# Allegro board arena_12-12_v5.brd (continued)
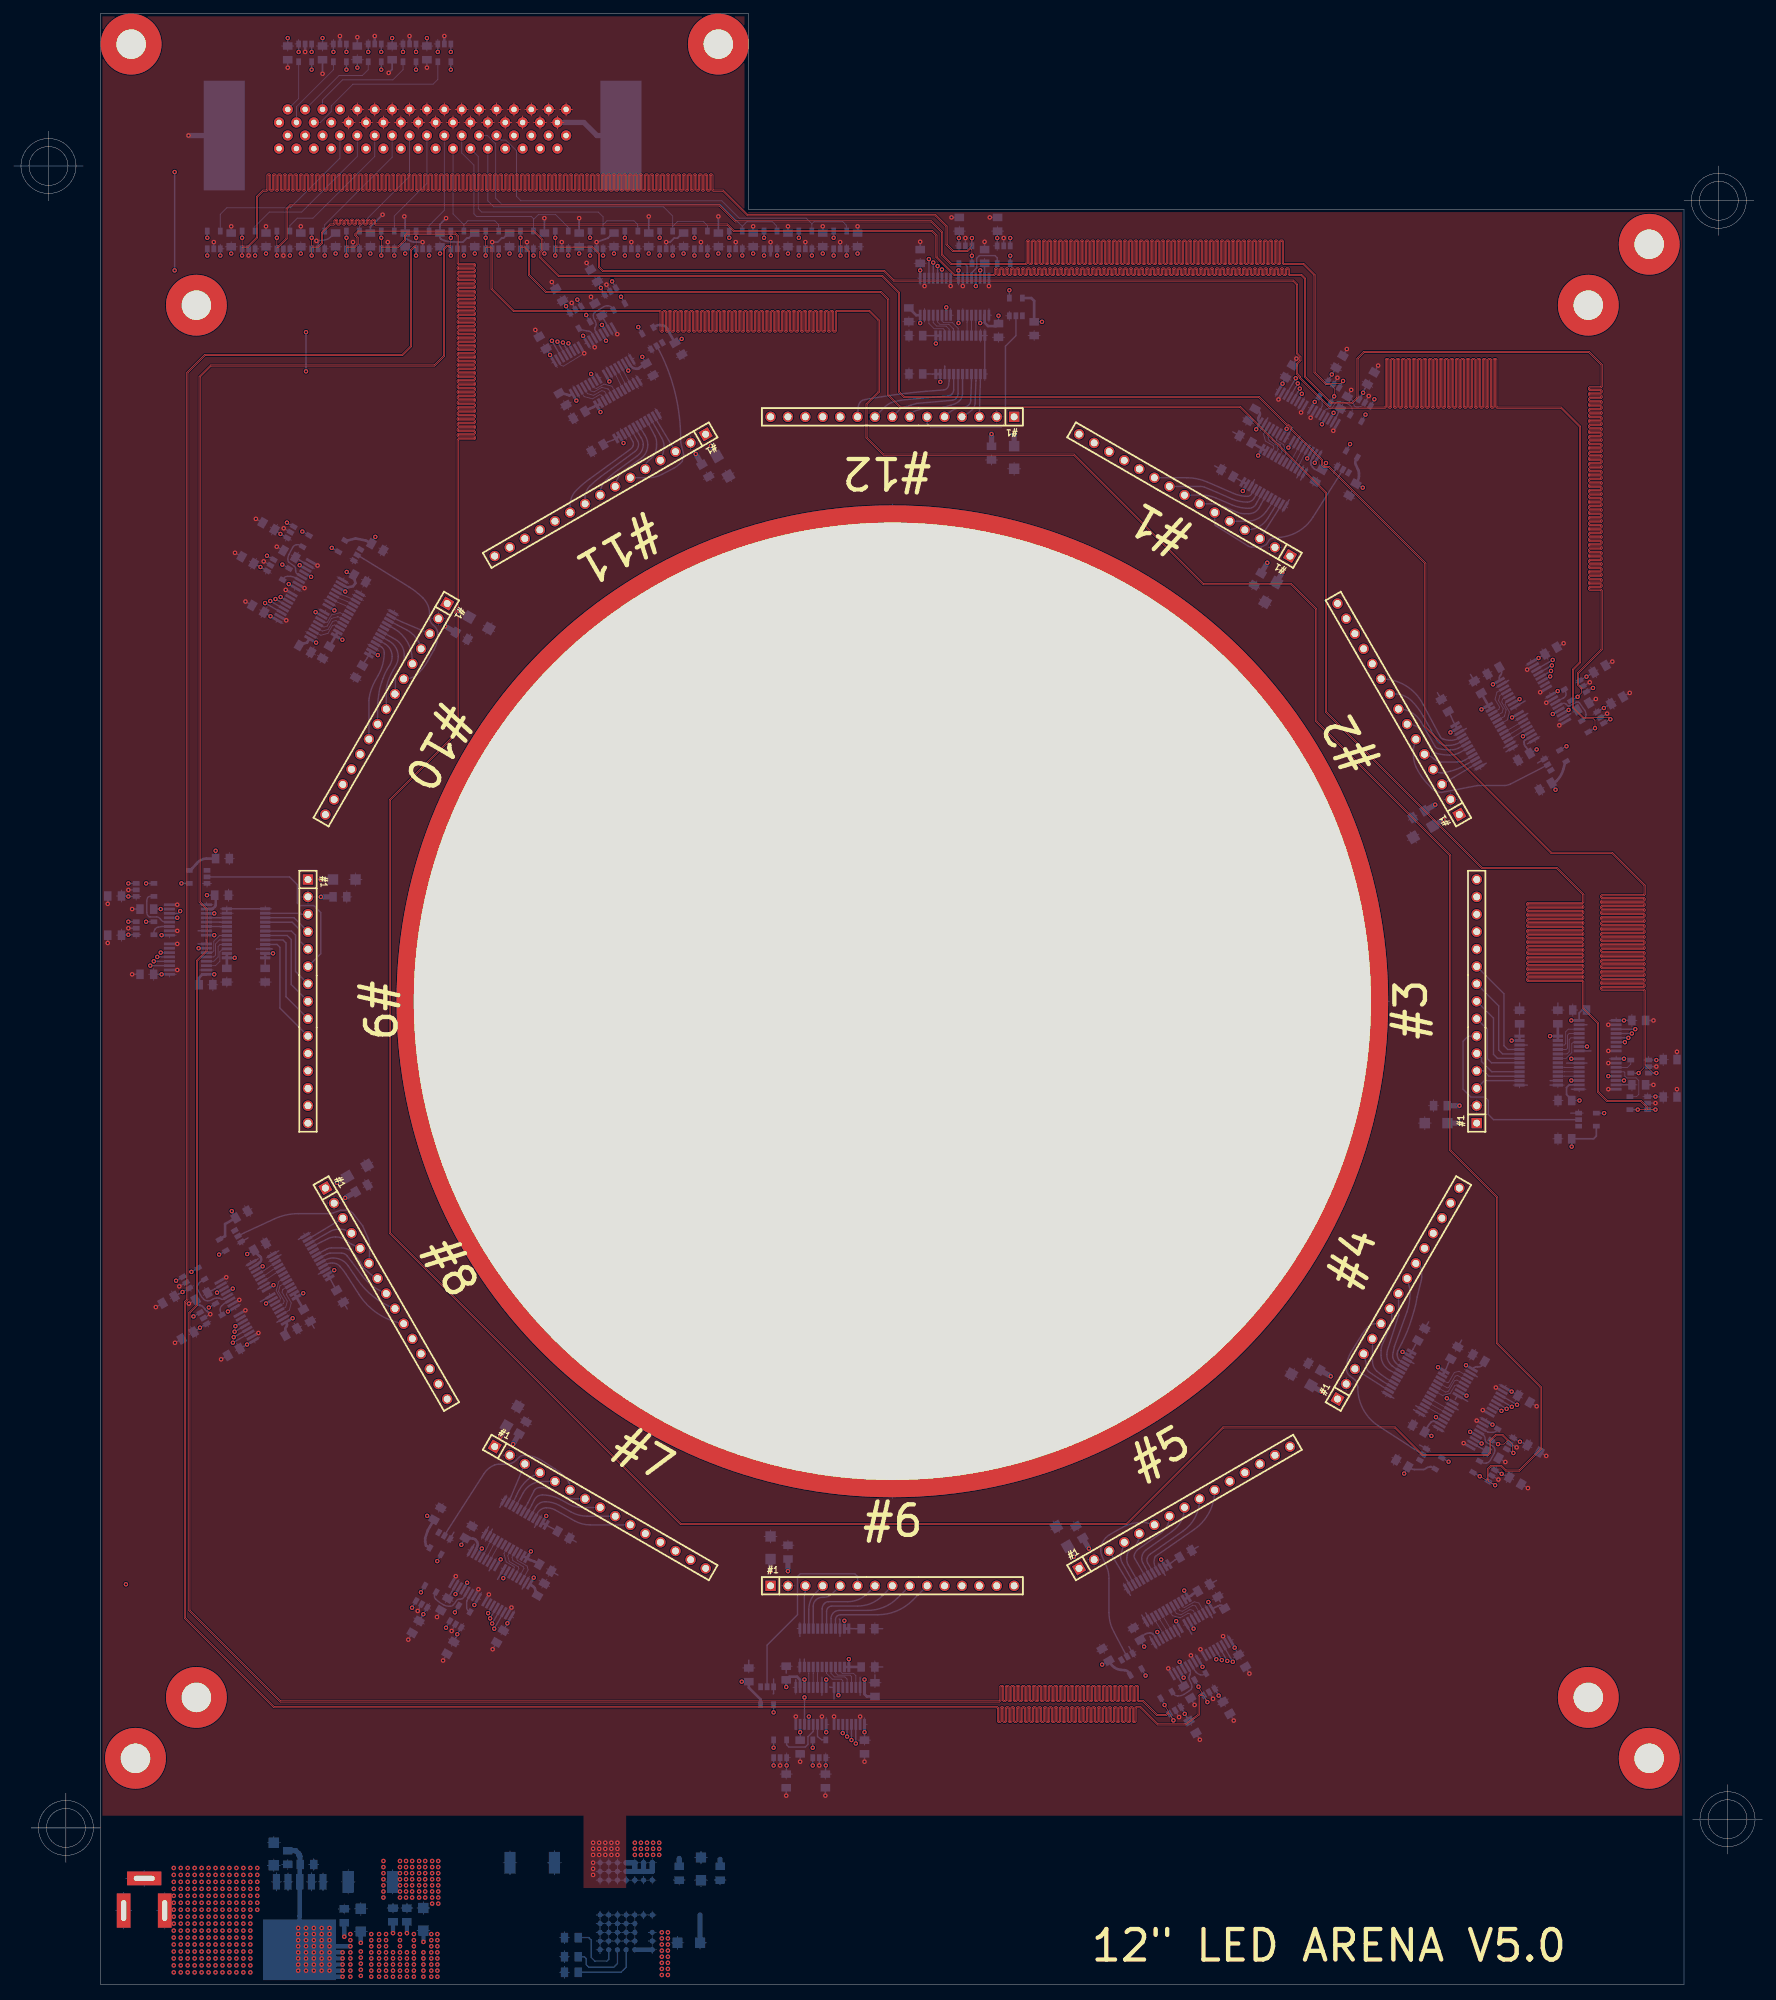
[diagram p0: board, top side]
## Routing (per net, layer and track width the routed paths; a pad name or vN(x,y) marks a point on that pad's centre or on a via; arc(x,y) is an arc through that point) (continued)
GND_ISO3: length 581.8
  TOP w0.127: 79.38,270.85 J26.2 ; J26.2 79.38,272.71 ; J26.2 80.31,271.78 ; J26.2 78.44,271.78 ; J26.17 61.26,273.69 ; J26.17 60.33,272.75 ; J26.17 59.39,273.69 ; J26.17 60.33,274.62 ; 73.36,271.78 J26.6 ; J26.6 74.3,272.71 ; J26.6 74.3,270.85 ; J26.6 75.23,271.78 ; J26.16 62.53,271.78 ; J26.16 61.6,270.85 ; J26.16 60.66,271.78 ; J26.16 61.6,272.71 ; J26.11 67.95,274.62 ; J26.11 67.95,272.75 ; J26.11 68.88,273.69 ; J26.11 67.01,273.69 ; J26.25 50.17,274.62 ; J26.25 51.1,273.69 ; J26.25 49.23,273.69 ; J26.25 50.17,272.75 ; 53.98,270.85 J26.22 ; J26.22 54.91,271.78 ; J26.22 53.04,271.78 ; J26.22 53.98,272.71 ; 48.9,270.85 J26.26 ; J26.26 47.96,271.78 ; J26.26 49.83,271.78 ; J26.26 48.9,272.71 ; J26.12 66.68,272.71 ; J26.12 67.61,271.78 ; J26.12 66.68,270.85 ; J26.12 65.74,271.78 ; 77.17,273.69 J26.3 ; J26.3 78.11,274.62 ; J26.3 79.04,273.69 ; J26.3 78.11,272.75 ; 51.77,273.69 J26.23 ; J26.23 52.71,272.75 ; J26.23 52.71,274.62 ; J26.23 53.64,273.69 ; J26.1 81.58,273.69 ; J26.1 80.65,274.62 ; J26.1 80.65,272.75 ; J26.1 79.71,273.69 ; 71.76,270.85 J26.8 ; J26.8 72.69,271.78 ; J26.8 70.82,271.78 ; J26.8 71.76,272.71 ; 64.14,270.85 J26.14 ; J26.14 65.07,271.78 ; J26.14 63.2,271.78 ; J26.14 64.14,272.71 ; J26.19 58.72,273.69 ; J26.19 57.79,274.62 ; J26.19 56.85,273.69 ; J26.19 57.79,272.75 ; 55.58,271.78 J26.20 ; J26.20 56.52,270.85 ; J26.20 56.52,272.71 ; J26.20 57.45,271.78 ; 74.63,273.69 J26.5 ; J26.5 75.57,272.75 ; J26.5 75.57,274.62 ; J26.5 76.5,273.69 ; J26.18 59.99,271.78 ; J26.18 59.06,272.71 ; J26.18 58.12,271.78 ; J26.18 59.06,270.85 ; J26.15 63.8,273.69 ; J26.15 62.87,274.62 ; J26.15 62.87,272.75 ; J26.15 61.93,273.69 ; J26.21 56.18,273.69 ; J26.21 55.25,272.75 ; J26.21 54.31,273.69 ; J26.21 55.25,274.62 ; 73.03,272.75 J26.7 ; J26.7 73.96,273.69 ; J26.7 72.09,273.69 ; J26.7 73.03,274.62 ; J26.13 65.41,274.62 ; J26.13 64.47,273.69 ; J26.13 65.41,272.75 ; J26.13 66.34,273.69 ; J26.10 69.22,272.71 ; J26.10 69.22,270.85 ; J26.10 68.28,271.78 ; J26.10 70.15,271.78 ; 50.5,271.78 J26.24 ; J26.24 51.44,270.85 ; J26.24 51.44,272.71 ; J26.24 52.37,271.78 ; J26.4 77.77,271.78 ; J26.4 76.84,270.85 ; J26.4 76.84,272.71 ; J26.4 75.9,271.78 ; J26.9 70.49,274.62 ; J26.9 70.49,272.75 ; J26.9 69.55,273.69 ; J26.9 71.42,273.69
  PWR w0.127: J26.13 65.41,274.62 ; J26.13 65.41,272.75 ; J26.13 64.47,273.69 ; J26.13 66.34,273.69 ; J26.7 73.96,273.69 ; J26.7 73.03,272.75 ; J26.7 72.09,273.69 ; J26.7 73.03,274.62 ; J26.11 68.88,273.69 ; J26.11 67.01,273.69 ; J26.11 67.95,274.62 ; J26.11 67.95,272.75 ; 79.71,273.69 J26.1 ; J26.1 80.65,272.75 ; J26.1 80.65,274.62 ; J26.1 81.58,273.69 ; 48.9,270.85 J26.26 ; J26.26 49.83,271.78 ; J26.26 47.96,271.78 ; J26.26 48.9,272.71 ; J26.24 51.44,272.71 ; J26.24 50.5,271.78 ; J26.24 51.44,270.85 ; J26.24 52.37,271.78 ; J26.10 70.15,271.78 ; J26.10 69.22,272.71 ; J26.10 69.22,270.85 ; J26.10 68.28,271.78 ; J26.9 71.42,273.69 ; J26.9 70.49,272.75 ; J26.9 70.49,274.62 ; J26.9 69.55,273.69 ; J26.8 71.76,272.71 ; J26.8 70.82,271.78 ; J26.8 71.76,270.85 ; J26.8 72.69,271.78 ; J26.5 76.5,273.69 ; J26.5 75.57,274.62 ; J26.5 75.57,272.75 ; J26.5 74.63,273.69 ; J26.3 79.04,273.69 ; J26.3 77.17,273.69 ; J26.3 78.11,272.75 ; J26.3 78.11,274.62 ; J26.12 66.68,272.71 ; J26.12 67.61,271.78 ; J26.12 65.74,271.78 ; J26.12 66.68,270.85 ; 57.79,272.75 J26.19 ; J26.19 58.72,273.69 ; J26.19 57.79,274.62 ; J26.19 56.85,273.69 ; J26.16 62.53,271.78 ; J26.16 61.6,270.85 ; J26.16 60.66,271.78 ; J26.16 61.6,272.71 ; 58.12,271.78 J26.18 ; J26.18 59.06,272.71 ; J26.18 59.99,271.78 ; J26.18 59.06,270.85 ; 50.17,272.75 J26.25 ; J26.25 51.1,273.69 ; J26.25 49.23,273.69 ; 56.52,270.85 J26.20 ; J26.20 55.58,271.78 ; J26.20 57.45,271.78 ; J26.20 56.52,272.71 ; 59.39,273.69 J26.17 ; J26.17 60.33,272.75 ; J26.17 60.33,274.62 ; J26.17 61.26,273.69 ; 55.25,272.75 J26.21 ; J26.21 56.18,273.69 ; J26.21 55.25,274.62 ; J26.21 54.31,273.69 ; J26.14 65.07,271.78 ; J26.14 64.14,272.71 ; J26.14 64.14,270.85 ; J26.14 63.2,271.78 ; J26.4 77.77,271.78 ; J26.4 76.84,272.71 ; J26.4 76.84,270.85 ; J26.4 75.9,271.78 ; 52.71,272.75 J26.23 ; J26.23 53.64,273.69 ; J26.23 51.77,273.69 ; 62.87,272.75 J26.15 ; J26.15 62.87,274.62 ; J26.15 61.93,273.69 ; J26.15 63.8,273.69 ; 74.3,270.85 J26.6 ; J26.6 74.3,272.71 ; J26.6 75.23,271.78 ; J26.6 73.36,271.78 ; 78.44,271.78 J26.2 ; J26.2 79.38,272.71 ; J26.2 80.31,271.78 ; J26.2 79.38,270.85 ; 53.04,271.78 J26.22 ; J26.22 53.98,270.85 ; J26.22 54.91,271.78 ; J26.22 53.98,272.71
  PWR w0.203: 44.45,241.43 44.45,234.82
  LAYER 1 w0.127: J26.26 48.9,272.71 ; J26.26 49.83,271.78 ; J26.26 47.96,271.78 ; J26.26 48.9,270.85 ; 51.77,273.69 J26.23 ; J26.23 53.64,273.69 ; J26.23 52.71,272.75 ; J26.23 52.71,274.62 ; J26.16 61.6,272.71 ; J26.16 60.66,271.78 ; J26.16 62.53,271.78 ; J26.16 61.6,270.85 ; J26.2 80.31,271.78 ; J26.2 78.44,271.78 ; J26.2 79.38,272.71 ; J26.2 79.38,270.85 ; J26.5 75.57,274.62 ; J26.5 76.5,273.69 ; J26.5 74.63,273.69 ; J26.5 75.57,272.75 ; 79.71,273.69 J26.1 ; J26.1 81.58,273.69 ; J26.1 80.65,274.62 ; J26.1 80.65,272.75 ; 74.3,270.85 J26.6 ; J26.6 75.23,271.78 ; J26.6 74.3,272.71 ; J26.6 73.36,271.78 ; 75.9,271.78 J26.4 ; J26.4 77.77,271.78 ; J26.4 76.84,272.71 ; J26.4 76.84,270.85 ; J26.21 55.25,274.62 ; J26.21 56.18,273.69 ; J26.21 54.31,273.69 ; J26.21 55.25,272.75 ; J26.7 73.96,273.69 ; J26.7 73.03,274.62 ; J26.7 72.09,273.69 ; J26.7 73.03,272.75 ; J26.14 65.07,271.78 ; J26.14 64.14,272.71 ; J26.14 63.2,271.78 ; J26.14 64.14,270.85 ; J26.15 63.8,273.69 ; J26.15 62.87,274.62 ; J26.15 62.87,272.75 ; J26.15 61.93,273.69 ; 65.41,272.75 J26.13 ; J26.13 64.47,273.69 ; J26.13 65.41,274.62 ; J26.13 66.34,273.69 ; 66.68,270.85 J26.12 ; J26.12 66.68,272.71 ; J26.12 65.74,271.78 ; J26.12 67.61,271.78 ; J26.24 52.37,271.78 ; J26.24 50.5,271.78 ; J26.24 51.44,272.71 ; J26.24 51.44,270.85 ; J26.22 53.98,272.71 ; J26.22 53.04,271.78 ; J26.22 54.91,271.78 ; J26.22 53.98,270.85 ; 56.85,273.69 J26.19 ; J26.19 58.72,273.69 ; J26.19 57.79,272.75 ; J26.19 57.79,274.62 ; J26.9 71.42,273.69 ; J26.9 70.49,272.75 ; J26.9 70.49,274.62 ; J26.9 69.55,273.69 ; 58.12,271.78 J26.18 ; J26.18 59.06,270.85 ; J26.18 59.99,271.78 ; J26.18 59.06,272.71 ; J26.8 72.69,271.78 ; J26.8 71.76,272.71 ; J26.8 70.82,271.78 ; J26.8 71.76,270.85 ; J26.10 70.15,271.78 ; J26.10 69.22,272.71 ; J26.10 68.28,271.78 ; J26.10 69.22,270.85 ; 49.23,273.69 J26.25 ; J26.25 51.1,273.69 ; J26.25 50.17,272.75 ; J26.25 50.17,274.62 ; J26.17 60.33,274.62 ; J26.17 60.33,272.75 ; J26.17 59.39,273.69 ; J26.17 61.26,273.69 ; 78.11,272.75 J26.3 ; J26.3 77.17,273.69 ; J26.3 78.11,274.62 ; J26.3 79.04,273.69 ; J26.11 67.95,274.62 ; J26.11 67.01,273.69 ; J26.11 68.88,273.69 ; J26.11 67.95,272.75 ; 55.58,271.78 J26.20 ; J26.20 56.52,272.71 ; J26.20 56.52,270.85 ; J26.20 57.45,271.78
  BOTTOM w0.127: 103.12,14.52 C43.2 ; C43.2 102.24,15.26 ; C43.2 104.01,15.26 ; 85.6,14.67 U130.C7 ; U130.C7 85.03,15.24 ; U130.C7 86.17,15.24 ; U130.C7 85.6,15.81 ; U130.A6 87.44,17.78 ; U130.A6 86.87,18.35 ; U130.A6 86.87,17.21 ; U130.A6 86.3,17.78 ; U130.C1 93.79,15.24 ; U130.C1 92.65,15.24 ; U130.C1 93.22,15.81 ; U130.C1 93.22,14.67 ; 88.14,15.94 U130.B5 ; U130.B5 87.57,16.51 ; U130.B5 88.71,16.51 ; U130.B5 88.14,17.08 ; 85.03,17.78 U130.A7 ; U130.A7 85.6,18.35 ; U130.A7 86.17,17.78 ; U130.A7 85.6,17.21 ; 78.93,16.01 L2.1 ; L2.1 79.94,17.78 ; L2.1 77.92,17.78 ; L2.1 78.93,19.55 ; U130.C2 91.95,15.81 ; U130.C2 91.38,15.24 ; U130.C2 92.52,15.24 ; U130.C2 91.95,14.67 ; U130.C3 91.25,15.24 ; U130.C3 90.11,15.24 ; U130.C3 90.68,15.81 ; U130.C3 90.68,14.67 ; C107.2 195.07,231.53 arc(195.39,231.25) 195.57,230.87 195.67,230.52 arc(195.73,230.39) 195.83,230.3 arc(195.89,230.28) 195.96,230.27 196.27,230.27 arc(196.82,230.42) 197.22,230.82 197.24,230.87 ; 86.87,15.94 U130.B6 ; U130.B6 87.44,16.51 ; U130.B6 86.3,16.51 ; U130.B6 86.87,17.08 ; 87.57,15.24 U130.C5 ; U130.C5 88.14,14.67 ; U130.C5 88.14,15.81 ; U130.C5 88.71,15.24 ; 89.41,14.67 U130.C4 ; U130.C4 89.98,15.24 ; U130.C4 89.41,15.81 ; U130.C4 88.84,15.24 ; C44.2 98.04,15.26 ; C44.2 97.16,14.52 ; C44.2 96.27,15.26 ; U130.B7 85.6,17.08 ; U130.B7 85.6,15.94 ; U130.B7 86.17,16.51 ; U130.B7 85.03,16.51 ; 88.14,17.21 U130.A5 ; U130.A5 87.57,17.78 ; U130.A5 88.14,18.35 ; U130.A5 88.71,17.78 ; C42.2 101.27,15.24 ; C42.2 99.39,15.24 ; C42.2 100.33,14.3 ; 86.87,14.67 U130.C6 ; U130.C6 87.44,15.24 ; U130.C6 86.87,15.81 ; U130.C6 86.3,15.24 ; v1(83.29,238.09) 80.26,236.22 79.91,236.31 79.42,237.17
  BOTTOM w0.203: U13.8 v1(114.17,39.12) ; C77.2 v1(239.38,140.72) ; C81.2 v1(172.39,40.82) ; C190.2 v1(199.19,236.3) ; 172.42,47.05 v1(171.85,48.04) ; U52.2 v1(58.98,54.53) ; 27.71,97.27 v1(28.7,97.84) ; U86.2 v1(81.46,245.45) ; C153.2 v1(235.92,188.52) ; C189.2 v1(242.81,130.68) ; C89.2 v1(124.21,32.53) ; U90.2 v1(193.24,234.52) ; C99.2 v1(180.4,45.39) ; U16.8 v1(23.88,157.61) ; U76.2 v1(117.6,31.98) ; 185.21,232.35 v1(184.64,231.36) ; C166.2 v1(142.49,257.92) ; U59.2 v1(105.41,254.32) ; 34.73,94.53 v1(35.73,95.1) ; 189.91,229.68 v1(189.34,228.69) ; C197.2 v1(23.54,93.67) ; C195.2 v1(107.95,256.62) ; U50.2 v1(111.89,31.98) ; U69.2 v1(69.85,254.32) ; U10.8 v1(232.79,136.27) ; 224.73,187.66 v1(223.74,187.09) ; 84.24,239.97 v1(84.82,238.98) ; U11.8 v1(214.46,83.84) ; C173.2 v1(233.38,193.1) ; C183.2 v1(31.75,256.62) ; v1(62.87,284.39) 62.87,284.15 ; U85.2 v1(29.21,254.32) ; C181.2 v1(242.81,136.14) ; 217.36,86.57 v1(216.37,87.14) ; C198.2 v1(20.75,98.88) ; 72.09,54.04 v1(72.66,55.03) ; U5.8 v1(39.71,203.56) ; U1.8 v1(119.76,39.12) ; C73.2 v1(61.79,53.64) ; U2.8 v1(69.36,56.93) ; U4.8 v1(23.88,151.89) ; C105.2 v1(17.29,147.45) ; C184.2 v1(41.91,256.62) ; U84.2 v1(36.49,207.72) ; 197.24,230.87 v1(197.82,231.86) ; U1.2 v1(123.57,39.12) ; C165.2 v1(221.06,72.46) ; C179.2 v1(36.83,256.62) ; U56.2 v1(16.74,159.77) ; C69.2 v1(222.33,84.4) ; 231.63,184.92 v1(232.62,185.5) ; 233.93,140.08 v1(232.79,140.08) ; U88.2 v1(138.94,254.91) ; U15.8 v1(31.03,103.23) ; 43.37,207.69 v1(44.36,207.11) ; 117.98,37.97 v1(117.98,39.12) ; U9.8 v1(222.85,188.62) ; U87.2 v1(34.29,252.36) ; C109.2 v1(141.73,254.37) ; C71.2 v1(187.25,237.31) ; C186.2 v1(62.68,47.29) ; C91.2 v1(217.76,76.27) ; C196.2 v1(123.19,256.62) ; C162.2 v1(118.49,27.57) ; C101.2 v1(76.14,241.51) ; U71.2 64.77,254.32 ; U61.2 v1(85.09,254.32) ; 22.73,153.8 v1(23.88,153.8) ; U89.2 v1(39.37,252.36) ; 87.54,241.87 v1(88.12,240.88) ; U14.8 v1(64.54,59.6) ; C177.2 v1(78.56,248.49) ; C170.2 v1(32.31,208.97) ; U8.8 v1(187.94,229.45) ; U49.2 v1(115.57,254.32) ; C154.2 v1(57.6,50.34) ; U19.8 v1(142.37,247.9) ; 31.94,99.36 v1(32.93,99.93) ; C158.2 v1(173.16,35.74) ; 67.27,56.71 v1(67.84,57.7) ; C93.2 v1(25.58,99.39) ; 64.5,52.6 v1(63.93,51.61) ; U7.8 v1(136.78,247.9) ; U53.2 v1(95.25,254.32) ; C163.2 v1(40.01,279.78) ; C111.2 v1(132.33,254.37) ; C95.2 v1(239.38,131.32) ; v1(42.55,282.08) 42.55,282.25 ; 193.21,227.77 v1(192.64,226.78) ; 229.09,189.5 v1(230.08,190.07) ; U70.2 v1(216.74,73.71) ; U3.8 v1(33.82,98.4) ; U57.2 v1(110.49,254.32) ; U95.2 v1(54.61,254.32) ; 221.93,192.49 v1(220.94,191.92) ; C193.2 v1(13.73,157.73) ; C192.2 v1(113.03,256.62) ; U4.2 v1(23.88,148.08) ; 87.11,247.12 v1(86.54,248.11) ; U65.2 v1(80.01,254.32) ; 38.8,199.69 v1(39.79,199.12) ; U51.2 v1(120.65,254.32) ; 214.57,81.74 v1(213.58,82.32) ; C182.2 v1(178.11,38.53) ; 174.51,42.69 v1(175.08,41.7) ; U24.8 v1(168.55,46.14) ; U97.2 v1(59.69,254.32) ; U94.2 v1(239.8,133.98) ; C161.2 v1(223.73,77.16) ; C157.2 v1(194.62,238.71) ; U62.2 v1(144.53,254.91) ; 40.41,211.98 v1(39.42,212.55) ; C85.2 v1(17.29,156.97) ; v1(47.63,284.39) 47.63,284.15 ; C164.2 v1(60.33,279.78) ; 218.42,78.98 v1(219.41,78.41) ; C174.2 v1(136.91,257.92) ; C103.2 v1(38.4,209.86) ; 82.72,239.08 v1(83.29,238.09) ; C67.2 v1(69.92,48.94) ; C107.2 v1(195.25,232.74) ; U55.2 v1(100.33,254.32) ; U22.8 v1(232.79,130.68) ; C83.2 v1(84.27,246.33) ; C87.2 v1(33.83,201.86) ; U72.2 v1(170.13,39.03) ; C97.2 v1(230.96,187.63) ; 173.82,47.94 v1(173.25,48.93) ; v1(52.71,284.39) 52.71,284.15 ; U67.2 v1(74.93,254.32) ; 138.56,249.05 v1(138.56,247.9) ; U22.2 v1(232.79,134.49) ; U82.2 v1(16.74,154.18) ; C79.2 v1(114.81,32.53) ; C113.2 v1(226.27,195.76) ; U93.2 v1(49.53,254.32) ; v1(57.79,284.39) 57.79,284.15 ; 177.12,49.85 v1(176.55,50.84) ; U23.8 v1(211.67,79.02) ; 25.17,102.48 v1(24.18,101.9) ; C185.2 v1(112.78,27.57) ; C171.2 v1(118.11,256.62) ; 41.47,204.39 v1(42.46,203.81) ; C169.2 v1(35.35,213.92) ; C75.2 v1(30.27,91.26) ; C178.2 v1(83.64,251.28) ; U21.8 v1(225.64,183.79) ; U91.2 44.45,254.25 v1(44.2,254.51) 45.29,254.61 arc(45.58,254.66) 45.86,254.78 arc(46.11,254.94) 46.34,255.14 46.73,255.53 arc(46.85,255.61) C191.2 ; U68.2 v1(239.67,128.65) ; U63.2 v1(90.17,254.32) ; C194.2 v1(13.73,152.02) ; U7.2 v1(132.97,247.9)
  BOTTOM w0.254: v1(59.69,254.32) 58.39,254.32 arc(58.19,254.35) 58.01,254.42 57.89,254.5 arc(57.65,254.62) 57.4,254.73 57.31,254.77 arc(57.2,254.86) 57.15,255 C167.2 57.15,257.94 v1(57.02,258.06) ; C156.2 52.07,256.54 v1(53.85,258.32) ; C159.2 v1(82.55,257.81) ; v1(63.12,257.81) 62.23,256.92 C175.2 62.23,254.99 arc(62.27,254.85) 62.37,254.76 62.42,254.73 arc(62.61,254.64) 62.81,254.57 62.99,254.51 arc(63.38,254.41) 63.77,254.36 64.77,254.32 65.58,254.32 66.16,254.9 66.43,254.9 67.16,255.64 C176.2 ; v1(28.7,97.84) 28.31,98.23 arc(28.25,98.24) 28.2,98.28 27.9,98.57 arc(27.89,98.63) 27.86,98.68 27.54,99 arc(27.4,99.09) 27.23,99.13 27.19,99.13 arc(27.06,99.16) 26.97,99.26 C93.2 ; C168.2 87.48,255.64 86.75,254.9 v1(85.09,254.32) ; C172.2 v1(45.09,278.89) ; C188.2 v1(77.47,257.81) ; v1(95.25,254.32) 95.83,254.32 96.42,254.9 96.91,254.9 97.64,255.64 C187.2 ; C155.2 v1(92.71,258.06) ; C152.2 72.24,255.64 71.51,254.9 71.24,254.9 70.66,254.32 v1(69.85,254.32) ; v1(54.74,279.02) 55.25,279.53 C160.2 ; C151.2 v1(50.17,284.23) ; C180.2 v1(102.87,258.06)
  BOTTOM w0.381: 57.79,284.15 U83.2 ; 47.63,284.15 U77.2 ; 42.55,282.25 U75.2 ; U57.2 110.49,252.36 ; 52.71,284.15 U79.2 ; 62.87,284.15 U81.2
  BOTTOM w0.762: 88.65,269.88 85.14,269.88 83.23,271.78 J26.2 ; 30.74,269.88 v1(25.53,269.88)
  vias: v1(84.58,20.7) v1(84.58,19.81) v1(84.58,18.92) v1(84.58,17.78) v1(84.58,16.89) v1(84.58,16) v1(85.47,20.7) v1(85.47,19.81) v1(85.47,18.92) v1(86.36,20.7) v1(86.36,19.81) v1(86.36,18.92) v1(87.25,20.7) v1(87.25,19.81) v1(87.25,18.92) v1(88.14,20.7) v1(88.14,19.81) v1(88.14,18.92)
1CS0: length 4.7
  BOTTOM w0.127: U37.6 118.67,45.41 119.5,44.58 120.82,44.58 121.03,44.37 U1.11
1CS1: length 4.8
  BOTTOM w0.127: U37.5 119.32,45.4 119.81,44.91 121.34,44.91 121.67,44.58 U1.12
1CS2: length 5
  BOTTOM w0.127: U37.4 119.97,45.51 120.32,45.16 122.1,45.16 122.3,44.96 U1.13
1CS3: length 4.9
  BOTTOM w0.127: U37.3 120.62,45.76 120.96,45.42 122.61,45.42 122.94,45.08 U1.14
1MISO: length 9.9
  PWR w0.127: v1(115.44,44.52) 115.44,42.78 115.42,42.62 114.92,42.13 114.92,41.56 114.39,41.01 arc(113.35,40.38) 112.2,40 v1(110.93,39.73)
  BOTTOM w0.203: U25.4 v1(110.93,39.73) ; 115.44,43.37 v1(115.44,44.52)
1MOSI: length 3
  BOTTOM w0.127: U13.14 117.35,45.39 117.37,45.41 U37.8
1RESET: length 3
  BOTTOM w0.127: U37.10 116.07,45.41 116.08,45.41 U13.12
1SCK: length 3
  BOTTOM w0.127: U37.9 116.72,45.41 116.71,45.41 U13.13
1XCS0: length 12
  BOTTOM w0.203: U37.18 118.02,54.86 arc(118.1,55.25) 118.32,55.58 118.38,55.64 arc(118.64,55.82) 118.96,55.88 121.77,55.88 arc(123.28,56.18) 124.57,57.04 J4.7
1XCS1: length 13.6
  BOTTOM w0.203: J4.8 126.79,56.72 arc(125.15,55.63) 123.22,55.24 119.45,55.24 arc(119.15,55.19) 118.9,55.02 arc(118.73,54.76) 118.67,54.47 U37.19
1XCS2: length 14.9
  BOTTOM w0.203: J4.9 129.01,56.41 arc(127.02,55.08) 124.68,54.61 120.51,54.61 arc(120.05,54.52) 119.67,54.26 arc(119.41,53.88) 119.32,53.42 U37.20
1XCS3: length 16.5
  BOTTOM w0.203: J4.10 131.24,56.09 arc(128.9,54.52) 126.13,53.97 120.7,53.97 arc(120.42,53.92) 120.18,53.76 arc(120.02,53.52) 119.97,53.25 U37.21
1XMISO: length 28.4
  BOTTOM w0.203: U25.2 109.98,49.53 114.43,53.97 114.43,59.56 114.81,59.94 122.81,59.94 123.19,59.56 J4.6
1XMOSI: length 8.6
  BOTTOM w0.203: J4.5 119.49,57.04 arc(118.91,56.65) 118.22,56.51 118.01,56.51 arc(117.52,56.42) 117.1,56.14 arc(116.82,55.72) 116.72,55.22 U37.16
1XRESET: length 6.3
  BOTTOM w0.203: U37.14 115.42,56.95 arc(115.44,57.05) 115.49,57.14 115.51,57.15 arc(115.55,57.22) 115.57,57.3 J4.3
1XSCK: length 6.9
  BOTTOM w0.203: J4.4 117.09,57.18 arc(116.33,56.05) 116.07,54.72 U37.15
2CS0: length 4.9
  BOTTOM w0.127: 72.59,59.98 73.09,60.84 73.04,61.02 71.9,61.67 71.57,62.93 72.04,63.75 U38.6
2CS1: length 5
  BOTTOM w0.127: U2.12 73.75,60.71 73.68,60.97 72.36,61.73 72.12,62.6 72.6,63.42 U38.5
2CS2: length 5.1
  BOTTOM w0.127: U38.4 73.16,63.1 72.74,62.37 72.88,61.87 74.42,60.98 74.49,60.72 U2.13
2CS3: length 5
  BOTTOM w0.127: U38.3 73.73,62.77 73.43,62.26 73.52,61.92 74.94,61.09 75.1,60.52 U2.14
2MISO: length 9.7
  PWR w0.127: v1(68.34,63.64) 67.45,62.2 arc(67.28,62.01) 67.06,61.89 66.91,61.84 arc(66.81,61.81) 66.71,61.8 v1(61.83,61.8)
  BOTTOM w0.203: 62.41,62.79 v1(61.83,61.8) ; U14.11 v1(68.34,63.64)
2MOSI: length 3.2
  BOTTOM w0.127: U14.14 70.99,64.51
2RESET: length 3.2
  BOTTOM w0.127: U14.12 68.81,63.2 69.4,64.34 69.87,65.16
2SCK: length 3.2
  BOTTOM w0.127: 70.43,64.83 69.96,64.02 69.36,62.88 68.87,62.02
2XCS0: length 11.4
  BOTTOM w0.203: U38.18 74.6,69.45 arc(74.84,69.88) 75.06,70.31 75.98,72.09 arc(76.04,72.18) 76.11,72.26 arc(76.43,72.48) 76.81,72.55 arc(77.87,72.42) 78.88,72.04 80.21,71.33 arc(81.05,71.01) 81.94,70.9 J1.7
2XCS1: length 12.6
  BOTTOM w0.203: J1.8 82.96,69.63 arc(81.99,69.75) 81.07,70.11 79.86,70.77 arc(78.55,71.29) 77.17,71.46 arc(76.49,71.27) 76.01,70.76 75.62,69.99 arc(75.4,69.55) 75.16,69.13 U38.19
2XCS2: length 13.8
  BOTTOM w0.203: 75.48,68.38 75.74,68.83 arc(75.96,69.23) 76.18,69.63 arc(76.76,70.25) 77.58,70.47 arc(78.65,70.34) 79.65,69.93 81.37,68.97 arc(82.51,68.52) 83.72,68.36 J1.9
2XCS3: length 15.3
  BOTTOM w0.203: U38.21 76.49,68.84 arc(77.04,69.39) 77.78,69.59 arc(78.42,69.51) 79.02,69.28 81.88,67.68 arc(82.97,67.24) 84.13,67.09 J1.10
2XMISO: length 26.5
  BOTTOM w0.203: J1.6 81.22,72.41 arc(81.04,73.29) 80.54,74.04 arc(79.84,74.67) 79.07,75.22 77.08,76.49 arc(75.84,77.05) 74.5,77.25 arc(74.11,77.17) 73.77,76.95 73.34,76.51 arc(72.71,76.09) 71.97,75.95 70.8,75.95 arc(70.49,75.92) 70.19,75.83 arc(69.32,75.31) 68.65,74.55 63.43,66.44 arc(63.24,66.14) 63.06,65.82 62.88,65.51
2XMOSI: length 7.6
  BOTTOM w0.203: U38.16 73.47,70.1 arc(73.71,70.53) 73.94,70.96 74.36,71.74 arc(75.54,72.97) 77.18,73.43 78.84,73.43 arc(78.93,73.43) 79.02,73.44
2XRESET: length 6.2
  BOTTOM w0.203: J1.3 72.59,71.18 72.1,70.33
2XSCK: length 6.5
  BOTTOM w0.203: 72.66,70 72.91,70.43 arc(73.14,70.86) 73.36,71.3 73.52,71.65 arc(74.05,72.58) 74.73,73.4 arc(75.7,74.17) J1.4
3CS0: length 4.9
  BOTTOM w0.127: 39.48,103.08 38.69,102.62 38.32,101.26 38.95,100.19 38.85,99.84 38.14,99.43
  BOTTOM w0.203: U39.6 39.55,103.15 39.48,103.08
3CS1: length 5.2
  BOTTOM w0.127: U3.12 39.39,99.42 39.48,99.77 38.66,101.2 38.87,101.97 39.8,102.51
  BOTTOM w0.203: 39.8,102.51 39.87,102.58 U39.5
3CS2: length 5.1
  BOTTOM w0.127: 38.78,98.33 39.71,98.87 39.94,99.74 39.18,101.06 39.27,101.4 39.3,101.42 39.31,101.48 40.13,101.95
  BOTTOM w0.203: U39.4 40.2,102.02 40.13,101.95
3CS3: length 5
  BOTTOM w0.127: 40.45,101.39 39.94,101.09 39.83,100.69 40.52,99.49 40.25,98.45 U3.14
  BOTTOM w0.203: U39.3 40.52,101.46 40.45,101.39
3MISO: length 9.4
  PWR w0.127: v1(36.34,104.83) 31.65,104.83 arc(31.61,104.83) 31.56,104.84 arc(31.39,104.93) 31.24,105.06 v1(29.98,106.54)
  BOTTOM w0.203: 35.35,104.26 v1(36.34,104.83) ; U27.4 v1(29.98,106.54)
3MOSI: length 3.2
  BOTTOM w0.127: 39,104.27 38.19,103.8 37.16,103.1 U15.14
3RESET: length 3.2
  BOTTOM w0.127: U15.12 36.53,104.2 37.54,104.92 38.35,105.39
3SCK: length 3.2
  BOTTOM w0.127: 38.68,104.83 37.86,104.36 36.84,103.65 35.98,103.16
3XCS0: length 11.1
  BOTTOM w0.203: J10.7 52.91,103.03 52.91,103.03 52.88,103.05 arc(51.99,103.77) 51.15,104.55 51.13,104.57 arc(51.06,104.65) 51,104.74 50.55,105.48 arc(50.04,106.21) 49.45,106.88 49.45,106.88 arc(48.74,107.35) 47.9,107.52 46.37,107.52 arc(46.04,107.48) 45.73,107.36 45.46,107.22 arc(45.02,106.99) 44.6,106.75 44.18,106.51
3XCS1: length 12.6
  BOTTOM w0.203: U39.19 44.92,106.19 arc(45.35,106.43) 45.78,106.65 45.81,106.66 arc(46,106.73) 46.2,106.76 47.84,106.76 arc(48.31,106.65) 48.69,106.34 48.69,106.34 arc(49.02,105.92) 49.34,105.49 50.81,103.53 arc(52.24,102.07) 54,101.03 J10.8
3XCS2: length 14
  BOTTOM w0.203: 44.83,105.38 45.4,105.71 arc(46,105.96) 46.65,106.04 arc(47.89,105.74) 48.84,104.89 50.19,102.91 arc(52.54,100.39) 55.55,98.7 J10.9
3XCS3: length 15.7
  BOTTOM w0.203: 45.15,104.82 45.72,105.15 arc(46.01,105.27) 46.31,105.31 46.55,105.31 arc(47.14,105.18) 47.63,104.83 47.67,104.79 arc(48.11,104.25) 48.51,103.68 50.42,100.71 arc(53.2,97.9) 56.88,96.47 J10.10
3XMISO: length 25.7
  BOTTOM w0.203: 51.85,105.26 51.94,106.38 51.94,108.08 arc(51.9,108.48) 51.78,108.86 50.95,110.72 arc(50.94,110.75) 50.92,110.77 49.67,112.37 arc(49.15,112.85) 48.47,113.02 47.78,113.02 arc(47.74,113.02) 47.71,113.01 46.65,112.63 arc(46.35,112.55) 46.04,112.52 41.58,112.52 arc(39.77,112.33) 38.04,111.75 33.7,109.75 arc(33.38,109.59) 33.06,109.41 32.75,109.23
3XMOSI: length 7.8
  BOTTOM w0.203: 43.53,107.63 43.97,107.89 arc(44.38,108.11) 44.79,108.33 45.91,108.88 arc(46.43,109.06) 46.98,109.12 47,109.12 arc(47.87,108.97) 48.65,108.54 49,108.25 arc(49.14,108.16) 49.28,108.08 J10.5
3XRESET: length 6
  BOTTOM w0.203: U39.14 43.72,109.25 J10.3
3XSCK: length 6.8
  BOTTOM w0.203: J10.4 48.64,110.02 arc(48.23,110.18) 47.78,110.24 47.41,110.24 arc(46.76,110.15) 46.15,109.9 U39.15
4CS0: length 4.8
  BOTTOM w0.127: U4.11 28.96,150.62 29.21,150.88 29.21,152.27 30.05,153.11 U40.6
4CS1: length 5
  BOTTOM w0.127: U40.5 30.03,152.46 29.46,151.89 29.46,150.24 29.21,149.99 U4.12
4CS2: length 4.9
  BOTTOM w0.127: U4.13 29.21,149.35 29.85,149.99 29.85,151.51 30.1,151.76 30.13,151.76 30.17,151.81 U40.4
4CS3: length 4.8
  BOTTOM w0.127: U4.14 29.46,148.72 30.1,149.35 30.1,150.74 30.52,151.16 U40.3
4MISO: length 9.2
  PWR w0.127: v1(24.49,160.72) 25.17,159.33 arc(25.72,158.42) 26.42,157.61 arc(27.25,156.97) 28.22,156.59 v1(29.28,156.34)
  BOTTOM w0.203: U28.4 v1(24.49,160.72) ; 28.13,156.34 v1(29.28,156.34)
4MOSI: length 3
  BOTTOM w0.203: U16.14 30.11,154.43 30.14,154.41 U40.8
4RESET: length 3
  BOTTOM w0.203: U16.12 30.13,155.7 30.14,155.71 U40.10
4SCK: length 3
  BOTTOM w0.203: U40.9 30.14,155.06 30.13,155.07 U16.13
4XCS0: length 12.5
  BOTTOM w0.203: U40.18 40.55,153.76 41.15,153.16 41.15,147.86 J5.7
4XCS1: length 14.1
  BOTTOM w0.203: J5.8 40.51,145.96 40.51,152.53 39.93,153.11 U40.19
4XCS2: length 15.6
  BOTTOM w0.203: U40.20 39.31,152.46 39.75,152.02 39.75,144.18 J5.9
4XCS3: length 17
  BOTTOM w0.203: J5.10 38.86,142.53 38.86,151.38 38.44,151.81 U40.21
4XMISO: length 29
  BOTTOM w0.203: J5.6 44.83,150.46 44.83,156.46 43.82,157.48 41.78,157.48 41.4,157.86 41.4,160.53 40.26,161.67 U28.2
4XMOSI: length 8.8
  BOTTOM w0.203: J5.5 41.78,152.31 41.78,153.92 40.65,155.06 U40.16
4XRESET: length 6.3
  BOTTOM w0.203: J5.3 41.97,156.21 41.82,156.36 U40.14
4XSCK: length 7.1
  BOTTOM w0.203: J5.4 40.92,155.71 U40.15
5CS0: length 4.8
  BOTTOM w0.127: 44.74,199.19 45.46,198.78 45.8,198.87 46.4,199.9 47.65,200.24 48.51,199.74 arc(48.55,199.69) U41.6
5CS1: length 4.9
  BOTTOM w0.127: U5.12 45.29,198.14 45.75,198.26 46.41,199.4 47.27,199.63 47.28,199.63 47.37,199.65 48.18,199.18 arc(48.23,199.12) U41.5
5CS2: length 4.9
  BOTTOM w0.127: U5.13 45.04,197.55 45.88,197.77 46.57,198.96 47.04,199.09 47.86,198.62 arc(47.9,198.56) U41.4
5CS3: length 4.9
  BOTTOM w0.127: U5.14 44.83,196.93 45.87,197.21 46.54,198.36 46.86,198.44 47.53,198.05 arc(47.57,198) U41.3
5MISO: length 9.4
  PWR w0.127: v1(46.43,209.69) 46.43,205.62 arc(46.43,205.59) 46.44,205.56 46.46,205.47 arc(46.49,205.37) 46.56,205.27 v1(48.4,203.31)
  BOTTOM w0.203: 47.41,203.89 v1(48.4,203.31) ; 47.42,209.12 v1(46.43,209.69)
5MOSI: length 3.2
  BOTTOM w0.127: 49.27,200.79 48.45,201.26 47.32,201.74 U17.14
5RESET: length 3.2
  BOTTOM w0.127: U17.12 47.96,202.84 49.1,202.38 49.92,201.91
5SCK: length 3.2
  BOTTOM w0.127: 49.59,201.35 48.78,201.82 47.64,202.29 46.78,202.79
5XCS0: length 11
  BOTTOM w0.203: U41.18 55.7,196.34 arc(56.67,195.37) 57.02,194.05 57.02,193.98 arc(56.92,193.23) 56.63,192.53 55.78,191.09 arc(55.74,190.99) 55.72,190.87 55.72,188.51 arc(55.71,188.43) 55.66,188.36 J17.7
5XCS1: length 12.3
  BOTTOM w0.203: U41.19 54.84,196.07 arc(55.79,195.12) 56.13,193.83 56.13,193.83 arc(56.04,193.11) 55.75,192.44 55.42,191.89 arc(54.83,190.71) 54.44,189.46 arc(54.4,189.26) 54.39,189.05 J17.8
5XCS2: length 13.7
  BOTTOM w0.203: 53.14,196.3 54.19,195.69 arc(54.96,194.91) 55.25,193.85 55.25,193.79 arc(55.15,193.15) 54.89,192.56 54.73,192.31 arc(54.28,191.49) 53.91,190.63 53.73,190.11 arc(53.46,189.21) 53.29,188.29 53.14,187.09 arc(53.14,187.06) 53.13,187.02 arc(53.12,186.99) 53.12,186.96 J17.9